# KiCad board artix-dc-scm.kicad_pcb (continued)
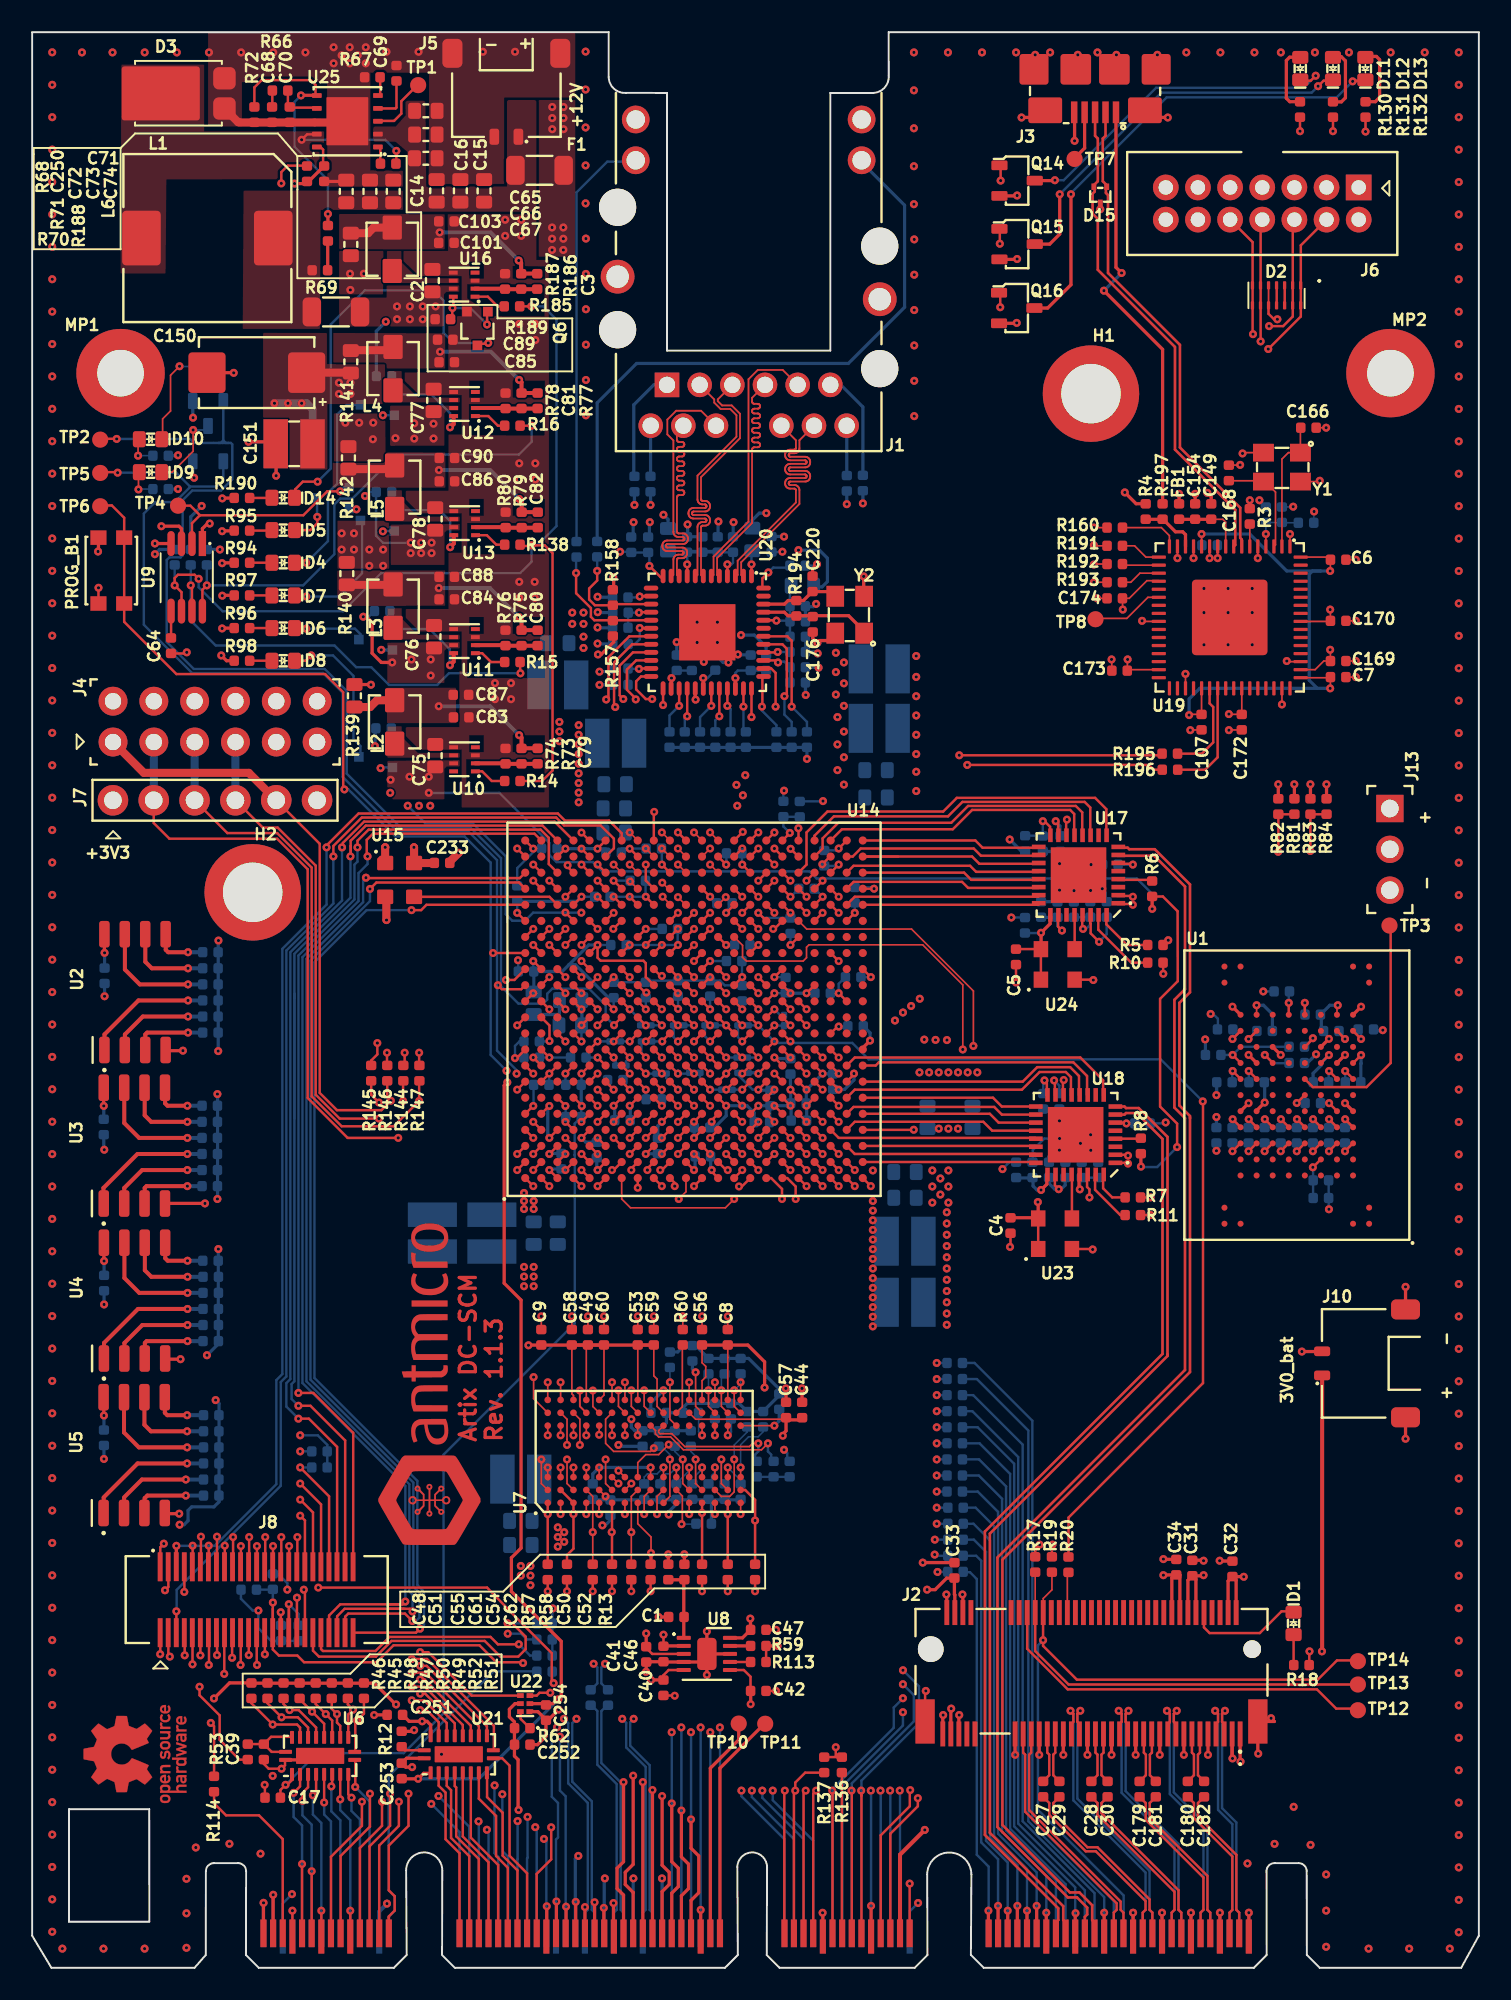
[diagram p0: board, top side]
## Footprints (pads in the part's own frame, mm; a bottom-side part is the same pattern mirrored in y, then rotated) (continued)
C_0603_1608Metric
  rrect 0.8x1 smd: 1(-0.7,0) 2(0.7,0)
C_1210_3225Metric
  rect 1.52x3.05 smd: 1(-1.145,0) 2(1.145,0)
C_Pol_EIA-D
  rrect 2.31x2.52 smd: 1(-3.1,0) 2(3.1,0)
Conn_Molex_Pico-Lock_1x2_504050-0291
  rrect 0.6x1 smd: 1(-0.749,2.85) 2(0.75,2.85)
  rrect 1.25x1.8 smd: MP1(-3.354,-2.338) MP2(3.356,-2.338)
Conn_Plug_Molex_SlimStack_2x25_529910508
  rect 0.3x1.8 smd: 1(-6.007,2.041) 2(-6.007,-2.058) 3(-5.507,2.041) 4(-5.507,-2.058) 5(-5.006,2.05) 6(-5.006,-2.058) 7(-4.506,2.041) 8(-4.506,-2.058) 9(-4.007,2.041) 10(-4.007,-2.058) 11(-3.507,2.041) 12(-3.507,-2.058) 13(-3.007,2.041) 14(-3.007,-2.058) 15(-2.507,2.041) 16(-2.507,-2.058) 17(-2.005,2.041) 18(-2.005,-2.058) 19(-1.505,2.041) 20(-1.505,-2.058) 21(-1.005,2.041) 22(-1.005,-2.058) 23(-0.505,2.041) 24(-0.505,-2.058) 25(-0.005,2.041) 26(-0.005,-2.058) 27(0.493,2.041) 28(0.493,-2.058) 29(0.994,2.041) 30(0.994,-2.058) 31(1.494,2.041) 32(1.494,-2.058) 33(1.993,2.041) 34(1.993,-2.058) 35(2.493,2.041) 36(2.493,-2.058) 37(2.993,2.041) 38(2.993,-2.058) 39(3.493,2.041) 40(3.493,-2.058) 41(3.994,2.041) 42(3.994,-2.058) 43(4.494,2.041) 44(4.494,-2.058) 45(4.994,2.041) 46(4.994,-2.058) 47(5.494,2.041) 48(5.494,-2.058) 49(5.994,2.041) 50(5.994,-2.058)
F_1206_3216Metric
  rrect 1.15x1.8 smd: 1(-1.5,-0.001) 2(1.5,-0.001)
FB_0402_1005Metric
  rrect 0.59x0.64 smd: 1(-0.48,0) 2(0.48,0)
FB_0603_1608Metric
  rrect 0.8x1 smd: 1(-0.7,0) 2(0.7,0)
L_Vishay-IHLP-1212AE
  rrect 1.5x1.2 smd: 1(-1.35,0) 2(1.35,0)
L_WE-PDF-1064
  rrect 2.4x3.4 smd: 1(-4.1,0) 2(4.1,0)
LED_0603_1608Metric_G
  rrect 0.8x1 smd: 1(-0.7,0) 2(0.7,0)
MP_Pad5.5mm_Drill2.9mm
  round 5.5 hole 2.9: 1(0,0)
Oscillator_SMD_Abracon_AMJM_3.2x2.5mm
  rrect 1x0.9 smd: 1(-0.876,1.045) 2(-0.876,-1.056) 3(0.922,-1.056) 4(0.922,1.045)
Oscillator_SMD_Abracon_ASEMB_3.2x2.5mm
  rect 1x0.9 smd: 1(-0.951,1.049) 2(-0.951,-1.05) 3(0.948,-1.05) 4(0.948,1.049)
PinHeader_1x3_P2.54mm_Drill1.1mm
  rect 1.7x1.7 hole 1.1: 1(0,0)
  round 1.7 hole 1.1: 2(2.539,0) 3(5.078,0)
PinHeader_1x6_P2.54mm_Drill1.1mm
  round 1.9 hole 1.1: 1(0,0) 2(2.539,0) 3(5.078,0) 4(7.618,0) 5(10.159,0) 6(12.698,0)
PinHeader_2x7_P2mm_Drill0.9mm_878311420
  rect 1.6x1.6 hole 0.9: 1(0,0)
  round 1.6 hole 0.9: 2(0,2) 3(2,0) 4(2,2) 5(4,0) 6(4,2) 7(6,0) 8(6,2) 9(8,0) 10(8,2) 11(10,0) 12(10,2) 13(12,0) 14(12,2)
PinSocket_2x6_P2.54mm_Drill1.02mm_PMOD
  round 1.8 hole 1.02: 1(0,0) 2(0,-2.539) 3(0,-5.078) 4(0,-7.618) 5(0,-10.159) 6(0,-12.698) 7(2.539,0) 8(2.539,-2.539) 9(2.539,-5.078) 10(2.539,-7.618) 11(2.539,-10.159) 12(2.539,-12.698)
PowerDI5
  rrect 4.86x3.36 smd: 1(1.1,0)
  rrect 1.4x1.39 smd: 2(-2.862,0.94) 2(-2.862,-0.941)
QFN-8_2x1.5mm
  rect 0.55x0.25 smd: 1(-0.677,0.75) 2(-0.677,0.25) 3(-0.677,-0.248) 4(-0.677,-0.748) 5(0.675,-0.748) 6(0.675,-0.248) 7(0.675,0.25) 8(0.675,0.75)
QFN-32-1EP_5x5mm
  rect 0.85x0.28 smd: 1(-2.495,1.702) 2(-2.495,1.2) 3(-2.495,0.701) 4(-2.495,0.201) 5(-2.495,-0.296) 6(-2.495,-0.8) 7(-2.495,-1.3) 8(-2.495,-1.8) 17(2.456,-1.8) 18(2.456,-1.3) 19(2.456,-0.8) 20(2.456,-0.296) 21(2.456,0.201) 22(2.456,0.701) 23(2.456,1.2) 24(2.456,1.702)
  rect 0.28x0.85 smd: 9(-1.768,-2.523) 10(-1.269,-2.523) 11(-0.772,-2.523) 12(-0.272,-2.523) 13(0.229,-2.523) 14(0.728,-2.523) 15(1.23,-2.523) 16(1.73,-2.523) 25(1.73,2.426) 26(1.23,2.426) 27(0.728,2.426) 28(0.229,2.426) 29(-0.272,2.426) 30(-0.772,2.426) 31(-1.269,2.426) 32(-1.768,2.426)
  rect 3.45x3.45 smd: 33(-0.02,-0.048)
QFN-48-1EP_7x7x0.9mm_P0.5mm_EP3.5x3.5mm
  oval 0.9x0.3 smd: 1(-3.5,2.75) 2(-3.5,2.25) 3(-3.5,1.75) 4(-3.5,1.25) 5(-3.5,0.75) 6(-3.5,0.25) 7(-3.5,-0.248) 8(-3.5,-0.748) 9(-3.5,-1.249) 10(-3.5,-1.749) 11(-3.5,-2.249) 12(-3.5,-2.749) 25(3.499,-2.749) 26(3.499,-2.249) 27(3.499,-1.749) 28(3.499,-1.249) 29(3.499,-0.748) 30(3.499,-0.248) 31(3.499,0.25) 32(3.499,0.75) 33(3.499,1.25) 34(3.499,1.75) 35(3.499,2.25) 36(3.499,2.75)
  oval 0.3x0.9 smd: 13(-2.75,-3.499) 14(-2.25,-3.499) 15(-1.75,-3.499) 16(-1.25,-3.499) 17(-0.75,-3.499) 18(-0.25,-3.499) 19(0.248,-3.499) 20(0.748,-3.499) 21(1.249,-3.499) 22(1.749,-3.499) 23(2.249,-3.499) 24(2.749,-3.499) 37(2.749,3.5) 38(2.249,3.5) 39(1.749,3.5) 40(1.249,3.5) 41(0.748,3.5) 42(0.248,3.5) 43(-0.25,3.5) 44(-0.75,3.5) 45(-1.25,3.5) 46(-1.75,3.5) 47(-2.25,3.5) 48(-2.75,3.5)
  rect 3.5x3.5 smd: 49(0,0)
QFN-64-1EP_9x9mm_P0.5mm
  rrect 1.05x1.05 smd: (-1.401,1.401) (-1.401,0) (-1.401,-1.398) (0,1.401) (0,0) (0,-1.398) (1.398,1.401) (1.398,0) (1.398,-1.398)
  rrect 0.875x0.2 smd: 1(-4.414,3.75) 2(-4.414,3.25) 3(-4.414,2.75) 4(-4.414,2.25) 5(-4.414,1.75) 6(-4.414,1.25) 7(-4.414,0.75) 8(-4.414,0.25) 9(-4.414,-0.248) 10(-4.414,-0.748) 11(-4.414,-1.249) 12(-4.414,-1.749) 13(-4.414,-2.249) 14(-4.414,-2.749) 15(-4.414,-3.249) 16(-4.414,-3.749) 33(4.411,-3.749) 34(4.411,-3.249) 35(4.411,-2.749) 36(4.411,-2.249) 37(4.411,-1.749) 38(4.411,-1.249) 39(4.411,-0.748) 40(4.411,-0.248) 41(4.411,0.25) 42(4.411,0.75) 43(4.411,1.25) 44(4.411,1.75) 45(4.411,2.25) 46(4.411,2.75) 47(4.411,3.25) 48(4.411,3.75)
  rrect 0.2x0.875 smd: 17(-3.75,-4.411) 18(-3.25,-4.411) 19(-2.75,-4.411) 20(-2.25,-4.411) 21(-1.75,-4.411) 22(-1.25,-4.411) 23(-0.75,-4.411) 24(-0.25,-4.411) 25(0.248,-4.411) 26(0.748,-4.411) 27(1.249,-4.411) 28(1.749,-4.411) 29(2.249,-4.411) 30(2.749,-4.411) 31(3.249,-4.411) 32(3.749,-4.411) 49(3.749,4.414) 50(3.249,4.414) 51(2.749,4.414) 52(2.249,4.414) 53(1.749,4.414) 54(1.249,4.414) 55(0.748,4.414) 56(0.248,4.414) 57(-0.25,4.414) 58(-0.75,4.414) 59(-1.25,4.414) 60(-1.75,4.414) 61(-2.25,4.414) 62(-2.75,4.414) 63(-3.25,4.414) 64(-3.75,4.414)
  rrect 4.7x4.7 smd: 65(0,0)
R_0402_1005Metric
  rrect 0.59x0.64 smd: 1(-0.48,0) 2(0.48,0)
R_0603_1608Metric
  rrect 0.8x1 smd: 1(-0.7,0) 2(0.7,0)
R_1206_3216Metric
  rrect 1.15x1.8 smd: 1(-1.5,-0.001) 2(1.5,-0.001)
Resonator_SMD_Abracon_ABM8G_3.2x2.5mm
  rrect 1.3x1.1 smd: 1(-1.101,-0.949)
  rect 1.3x1.1 smd: 2(1.199,-0.949) 3(1.199,0.85) 4(-1.101,0.85)
RJ45_BEL_L834-1G1T-S7
  round 2.31 hole 2.31 unplated: (-13.235,-1.009) (-13.235,-8.63) (3.073,-3.43) (3.073,-11.047)
  rect 1.53x1.53 hole 1.02: 1(0,0)
  round 1.53 hole 1.02: 2(-2.032,0) 3(-4.064,0) 4(-6.096,0) 5(-8.128,0) 6(-10.16,0) 7(1.015,2.54) 8(-1.016,2.54) 9(-3.048,2.54) 10(-7.112,2.54) 11(-9.144,2.54) 12(-11.176,2.54)
  round 1.725 hole 1.15: 13(1.945,-13.97) 14(1.945,-16.508) 15(-12.106,-13.97) 16(-12.106,-16.508)
  round 2.1 hole 1.4: SH(-13.235,-5.328) SH(3.073,-6.73)
SC70-3
  rect 0.6x0.6 smd: 1(-1.051,0.65) 2(-1.051,-0.65) 3(1.05,0)
SFF-TA-1002-4C+
  rect 0.38x1.72 smd far side: A1(-18.205,0.2) A2(-17.6,0.2) A3(-17,0.2) A4(-16.4,0.2) A5(-15.8,0.2) A6(-15.2,0.2) A7(-14.6,0.2) A8(-14,0.2) A9(-13.4,0.2) A10(-12.8,0.2) A12(-11.6,0.2) A13(-11,0.2) A15(-9.8,0.2) A16(-9.2,0.2) A18(-8,0.2) A19(-7.4,0.2) A21(-6.2,0.2) A22(-5.6,0.2) A23(-5,0.2) A24(-4.4,0.2) A25(-3.8,0.2) A26(-3.2,0.2) A27(-2.6,0.2) A28(-2,0.2) A29(2.01,0.2) A30(2.6,0.2) A31(3.2,0.2) A32(3.8,0.2) A34(5,0.2) A35(5.6,0.2) A36(6.2,0.2) A37(6.8,0.2) A38(7.4,0.2) A39(8,0.2) A40(8.6,0.2) A41(9.2,0.2) A43(14.715,0.2) A44(15.3,0.2) A45(15.9,0.2) A46(16.5,0.2) A47(17.1,0.2) A48(17.7,0.2) A49(18.3,0.2) A50(18.9,0.2) A51(19.5,0.2) A52(20.1,0.2) A53(20.7,0.2) A54(21.3,0.2) A55(21.9,0.2) A56(22.5,0.2) A57(23.1,0.2) A59(24.3,0.2) A60(24.9,0.2) A62(26.1,0.2) A63(26.7,0.2) A65(27.9,0.2) A66(28.5,0.2) A68(29.7,0.2) A69(30.3,0.2) OA1(-30.4,0.2) OA2(-29.8,0.2) OA5(-28,0.2) OA6(-27.4,0.2) OA7(-26.8,0.2) OA8(-26.2,0.2) OA9(-25.6,0.2) OA10(-25,0.2) OA11(-24.4,0.2) OA12(-23.8,0.2) OA14(-22.6,0.2)
  rect 0.38x2.12 smd far side: A11(-12.2,0) A14(-10.4,0) A17(-8.6,0) A20(-6.8,0) A33(4.4,0) A42(9.8,0) A58(23.7,0) A61(25.5,0) A64(27.3,0) A67(29.1,0) A70(30.9,0) OA3(-29.2,0) OA4(-28.6,0) OA13(-23.2,0)
  rect 0.38x1.72 smd: B1(-18.205,0.2) B2(-17.6,0.2) B3(-17,0.2) B4(-16.4,0.2) B5(-15.8,0.2) B6(-15.2,0.2) B7(-14.6,0.2) B8(-14,0.2) B9(-13.4,0.2) B11(-12.2,0.2) B12(-11.6,0.2) B13(-11,0.2) B14(-10.4,0.2) B15(-9.8,0.2) B16(-9.2,0.2) B18(-8,0.2) B19(-7.4,0.2) B20(-6.8,0.2) B21(-6.2,0.2) B22(-5.6,0.2) B23(-5,0.2) B24(-4.4,0.2) B25(-3.8,0.2) B27(-2.6,0.2) B28(-2,0.2) B29(2.01,0.2) B30(2.6,0.2) B31(3.2,0.2) B32(3.8,0.2) B34(5,0.2) B35(5.6,0.2) B36(6.2,0.2) B37(6.8,0.2) B39(8,0.2) B40(8.6,0.2) B41(9.2,0.2) B42(9.8,0.2) B43(14.715,0.2) B44(15.3,0.2) B45(15.9,0.2) B46(16.5,0.2) B47(17.1,0.2) B48(17.7,0.2) B50(18.9,0.2) B51(19.5,0.2) B53(20.7,0.2) B54(21.3,0.2) B56(22.5,0.2) B57(23.1,0.2) B59(24.3,0.2) B60(24.9,0.2) B62(26.1,0.2) B63(26.7,0.2) B65(27.9,0.2) B66(28.5,0.2) B68(29.7,0.2) B69(30.3,0.2) OB1(-30.4,0.2) OB2(-29.8,0.2) OB3(-29.2,0.2) OB5(-28,0.2) OB6(-27.4,0.2) OB8(-26.2,0.2) OB9(-25.6,0.2) OB11(-24.4,0.2) OB12(-23.8,0.2) OB13(-23.2,0.2) OB14(-22.6,0.2)
  rect 0.38x2.12 smd: B10(-12.8,0) B17(-8.6,0) B26(-3.2,0) B33(4.4,0) B38(7.4,0) B49(18.3,0) B52(20.1,0) B55(21.9,0) B58(23.7,0) B61(25.5,0) B64(27.3,0) B67(29.1,0) B70(30.9,0) OB4(-28.6,0) OB7(-26.8,0) OB10(-25,0)
SOIC-8_5.3x5.3x2mm_P1.27mm
  rrect 1.65x0.65 smd: 1(-3.601,1.905) 2(-3.601,0.635) 3(-3.601,-0.633) 4(-3.601,-1.904) 5(3.6,-1.904) 6(3.6,-0.633) 7(3.6,0.635) 8(3.6,1.905)
SOT-23-3
  rrect 1x0.6 smd: 1(-1.1,0.951) 2(-1.1,-0.949) 3(1.1,0.001)
SOT-723
  rect 0.4x0.3 smd: 1(-0.501,0.401) 2(-0.501,-0.399) 3(0.499,0.001)
Spacer_Drill3.7mm_H2.5mm_9774025151R
  custom 2.563x2.563 smd: (-1.7,1.7) (-1.7,-1.7) (1.7,1.7) (1.7,-1.7)
  round 6 hole 3.7: 1(0,0)
Spacer_Drill3.7mm_H4mm_9774040151R
  custom 2.563x2.563 smd: (-1.7,1.7) (-1.7,-1.7) (1.7,1.7) (1.7,-1.7)
  round 6 hole 3.7: 1(0,0)
SW_KMR211NGLFS_SMD
  rect 0.9x1 smd: 1(-2.048,0.8) 2(2.05,0.8) 3(-2.048,-0.802) 4(2.05,-0.802)
TP_SMD_1mm
  round 1 smd: 1(0,0)
USB-Micro-B_Receptacle_Amphenol_10118192
  rect 0.4x1.35 smd: 1(-1.301,2.226) 2(-0.651,2.226) 3(0,2.226) 4(0.65,2.226) 5(1.3,2.226)
  rrect 1.8x1.9 smd: SH(-3.801,-0.449) SH(3.8,-0.449)
  rrect 2.1x1.6 smd: SH(-3.101,2.101) SH(3.1,2.101)
  rrect 1.9x1.9 smd: SH(-1.2,-0.449) SH(1.199,-0.449)
USON-6_1.45x1.0mm_P0.5mm_Texas_DRY6
  rrect 0.42x0.3 smd: 1(0,0)
  rect 0.41x0.3 smd: 2(-0.006,-0.498) 3(-0.006,-0.998) 4(0.583,-0.998) 5(0.583,-0.498) 6(0.583,0)
USON-14_3.5x1.35_P0.5mm
  rrect 0.5x0.2 smd: 1(-0.623,1.5) 2(-0.623,1) 3(-0.623,0.5) 4(-0.623,0) 5(-0.623,-0.498) 6(-0.623,-0.998) 7(-0.623,-1.499) 8(0.625,-1.499) 9(0.625,-0.998) 10(0.625,-0.498) 11(0.625,0) 12(0.625,0.5) 13(0.625,1) 14(0.625,1.5)
VQFN-20_1EP_4.5x2.5mm_P0.5mm
  rrect 1.31x0.95 smd: (-0.76,0) (0.76,0)
  rrect 0.8x0.25 smd: 1(-2.15,-0.25) 10(2.15,-0.25) 11(2.15,0.25) 20(-2.15,0.25)
  rrect 0.25x0.8 smd: 2(-1.75,-1.15) 3(-1.25,-1.15) 4(-0.75,-1.15) 5(-0.25,-1.15) 6(0.25,-1.15) 7(0.75,-1.15) 8(1.25,-1.15) 9(1.75,-1.15) 12(1.75,1.15) 13(1.25,1.15) 14(0.75,1.15) 15(0.25,1.15) 16(-0.25,1.15) 17(-0.75,1.15) 18(-1.25,1.15) 19(-1.75,1.15)
  rrect 3x1 smd: 21(0,0)
VSON-10-1EP_3x3mm
  rrect 0.48x0.81 smd: (-0.3,0.51) (-0.3,-0.488) (0.299,0.51) (0.299,-0.488)
  rrect 0.875x0.25 smd: 1(-1.438,1.01) 2(-1.438,0.51) 3(-1.438,0.011) 4(-1.438,-0.488) 5(-1.438,-0.988) 6(1.437,-0.988) 7(1.437,-0.488) 8(1.437,0.011) 9(1.437,0.51) 10(1.437,1.01)
  rrect 1.2x2 smd: 11(0,0.011)
VSSOP-8_3x3mm_P0.65mm
  rect 1.557x0.458 smd: 1(-2.096,0.975)
  rrect 1.557x0.458 smd: 2(-2.096,0.326) 3(-2.096,-0.325) 4(-2.096,-0.974) 5(2.105,-0.974) 6(2.105,-0.325) 7(2.105,0.326) 8(2.105,0.975)
WSON-10-1EP_4x4mm_P0.8mm_EP2.6x3mm
  rrect 0.6x0.3 smd: 1(-1.9,1.6) 2(-1.9,0.8) 3(-1.9,0) 4(-1.9,-0.8) 5(-1.9,-1.6) 6(1.9,-1.6) 7(1.9,-0.8) 8(1.9,0) 9(1.9,0.8) 10(1.9,1.6)
  rrect 2.6x3 smd: 11(0,0)

## Nets
1V0_PG: Q1.1 R53.1 R61.2 U12.8
1V8_FT: C6.2 C7.2 C107.2 C135.2 U19.12 U19.37 U19.49 U19.64
3V0_BAT: J9.B41 J10.1
/Ethernet/AVDDH: C206.2 C211.2 C215.2 FB4.2 U20.1 U20.12
/Ethernet/AVDDL: C200.2 C204.2 C209.2 C213.2 FB6.1 U20.4 U20.9
/Ethernet/AVDDL_PLL: C199.2 C203.2 C208.2 FB5.1 U20.44
/Interfaces/1V0_EN: C39.2 R53.2 U6.19 U6.20
/Interfaces/VBUS: J3.1 R197.2
/Power supply/1V2_PG: Q6.1 R189.2 U16.8
/Power supply/1V8_PG: Q3.1 R91.2 U11.8
/Power supply/1V35_PG: Q4.1 R92.2 U13.8
/Power supply/2V5_PG: Q5.1 R93.2
/Power supply/5V0_PG: C250.2 Q2.1 R68.2 TP4.1 U9.2 U25.10
/Power supply/VCC12V: C14.2 C15.2 C16.2 C65.2 C66.2 C67.2 F1.2 J5.1 U25.2
/Power supply/VCCAUX_EN: R15.2 R64.2 U9.7
/Power supply/VCCINT_EN: R16.2 R63.2 U9.8
/Power supply/VCCIO_EN: R14.2 R65.2 R138.2 R185.2 U9.6
GND: C1.1 C2.1 C4.1 C5.2 C6.1 C7.1 C8.1 C9.1 C10.1 C11.1 C12.1 C13.1 C14.1 C15.1 C16.1 C17.1 C18.1 C19.1 C20.1 C21.1 C22.1 C23.1 C24.1 C25.1 C26.1 C31.1 C32.1 C33.1 C34.1 C35.1 C36.1 C37.1 C38.1 C39.1 C40.1 C41.1 C42.1 C43.1 C44.1 C45.1 C46.1 C47.1 C48.1 C49.1 C50.1 C51.1 C52.1 C53.1 C54.1 C55.1 C56.1 C57.1 C58.1 C59.1 C60.1 C61.1 C62.1 C63.2 C64.1 C65.1 C66.1 C67.1 C68.1 C69.1 C70.1 C72.1 C73.1 C74.1 C75.1 C76.1 C77.1 C78.1 C83.1 C84.1 C85.1 C86.1 C87.1 C88.1 C89.1 C90.1 C91.1 C92.1 C93.1 C94.1 C95.1 C96.1 C97.1 C98.1 C99.1 C100.1 C101.1 C102.1 C103.1 C104.1 C105.1 C106.1 C107.1 C108.1 C109.1 C110.1 C111.1 C112.1 C113.1 C114.1 C115.1 C116.1 C117.1 C118.1 C119.1 C120.1 C121.1 C122.1 C123.1 C124.1 C125.1 C126.1 C127.1 C128.1 C129.1 C130.1 C131.1 C132.1 C133.1 C134.1 C135.1 C136.1 C137.1 C138.1 C139.1 C140.1 C141.1 C142.1 C143.1 C144.1 C145.1 C146.1 C147.1 C148.1 C149.1 C150.2 C151.1 C152.1 C153.1 C154.1 C155.1 C156.1 C157.1 C158.1 C159.1 C160.1 C161.1 C162.1 C163.1 C164.1 C165.1 C166.1 C167.1 C168.1 C169.1 C170.1 C171.1 C172.1 C173.1 C174.1 C175.1 C176.1 C177.1 C178.1 C183.1 C184.1 C185.1 C186.1 C187.1 C188.1 C189.1 C190.1 C191.1 C192.1 C193.1 C196.1 C197.1 C198.1 C199.1 C200.1 C201.1 C202.1 C203.1 C204.1 C205.1 C206.1 C207.1 C208.1 C209.1 C210.1 C211.1 C212.1 C213.1 C214.1 C215.1 C216.1 C217.1 C218.1 C219.1 C220.1 C222.1 C223.1 C224.1 C225.1 C226.1 C227.1 C228.1 C229.1 C230.1 C231.1 C232.1 C233.1 C234.1 C235.1 C236.1 C237.1 C238.1 C239.1 C240.1 C241.1 C242.1 C243.1 C244.1 C245.1 C246.1 C247.1 C248.1 C249.1 C250.1 C251.1 C252.1 C253.1 C254.1 D2.5 D2.10 D3.2 D15.3 J1.SH J2.1 J2.3 J2.9 J2.15 J2.21 J2.27 J2.33 J2.39 J2.45 J2.51 J2.57 J2.71 J2.73 J2.75 J2.MP1 J2.MP2 J3.5 J3.SH J4.5 J4.11 J5.2 J5.MP1 J5.MP2 J6.1 J6.3 J6.5 J6.7 J6.9 J6.11 J6.13 J7.6 J8.2 J8.4 J9.A13 J9.A16 J9.A19 J9.A22 J9.A33 J9.A42 J9.A58 J9.A61 J9.A64 J9.A67 J9.A70 J9.B10 J9.B17 J9.B26 J9.B33 J9.B38 J9.B49 J9.B52 J9.B55 J9.B58 J9.B61 J9.B64 J9.B67 J9.B70 J9.OA3 J9.OA4 J9.OA13 J9.OB4 J9.OB7 J9.OB10 J10.2 J10.MP1 J10.MP2 J13.3 PROG_B1.3 PROG_B1.4 Q1.2 Q2.2 Q3.2 Q4.2 Q5.2 Q6.2 Q12.2 Q13.2 Q14.2 Q15.2 Q16.2 R2.2 R3.1 R4.2 R5.1 R7.1 R13.2 R57.1 R60.2 R67.1 R72.2 R74.2 R76.2 R78.2 R80.2 R82.1 R84.1 R87.2 R159.1 R187.2 U1.G2 U1.G3 U1.G4 U1.G5 U1.G6 U1.G7 U1.G8 U1.G9 U1.H2 U1.H9 U1.J5 U1.L3 U1.L8 U1.M4 U1.M7 U1.P2 U1.P9 U2.4 U3.4 U4.4 U5.4 U6.1 U6.21 U7.A9 U7.B1 U7.B3 U7.B9 U7.D1 U7.D8 U7.E1 U7.E2 U7.E8 U7.F9 U7.G1 U7.G8 U7.G9 U7.J2 U7.J8 U7.M1 U7.M9 U7.P1 U7.P9 U7.T1 U7.T9 U8.4 U8.8 U8.11 U9.3 U10.3 U10.5 U11.3 U11.5 U12.3 U12.5 U13.3 U13.5 U14.A2 U14.A3 U14.A5 U14.A7 U14.A9 U14.A11 U14.A12 U14.A22 U14.AA2 U14.AA12 U14.AA22 U14.AB9 U14.AB19 U14.B3 U14.B12 U14.B19 U14.C3 U14.C6 U14.C10 U14.C12 U14.C16 U14.D3 U14.D4 U14.D8 U14.D12 U14.D13 U14.E4 U14.E5 U14.E7 U14.E9 U14.E11 U14.E20 U14.F5 U14.F11 U14.F17 U14.G5 U14.G6 U14.G7 U14.G8 U14.G9 U14.G10 U14.G12 U14.G14 U14.H1 U14.H7 U14.H9 U14.H11 U14.H21 U14.J8 U14.J10 U14.J12 U14.J18 U14.K5 U14.K7 U14.K9 U14.K11 U14.K15 U14.L2 U14.L8 U14.L9 U14.L10 U14.L22 U14.M7 U14.M9 U14.M10 U14.M11 U14.M19 U14.N6 U14.N8 U14.N9 U14.N10 U14.N16 U14.P3 U14.P7 U14.P9 U14.P11 U14.P13 U14.R8 U14.R10 U14.R12 U14.R20 U14.T7 U14.T9 U14.T11 U14.T17 U14.U4 U14.U14 U14.V1 U14.V11 U14.V21 U14.W8 U14.W18 U14.Y5 U14.Y15 U15.2 U16.3 U16.5 U17.1 U17.2 U17.33 U18.1 U18.2 U18.33 U19.1 U19.5 U19.10 U19.11 U19.13 U19.15 U19.25 U19.35 U19.47 U19.51 U19.65 U20.29 U20.49 U21.1 U21.21 U22.1 U23.2 U24.2 U25.8 U25.11 Y1.2 Y1.4 Y2.2 Y2.4
P12V_AUX: F1.1 J9.OA1 J9.OA2 J9.OB1 J9.OB2
PVCCIO_PECI: J9.B28 TP11.1
VCC1V0: C17.2 C134.2 C136.2 C138.2 C140.2 C142.2 C145.2 C147.2 C150.1 C151.2 C152.2 C153.2 C156.2 C157.2 C158.2 C159.2 C160.2 C161.2 C163.2 C164.2 C165.2 C167.2 C171.2 C175.2 C190.2 R141.1 U6.2 U14.D6 U14.D10 U14.E8 U14.F7 U14.F9 U14.H8 U14.H10 U14.J7 U14.J9 U14.J11 U14.K8 U14.L7 U14.L11 U14.M8 U14.N7 U14.N11 U14.P8 U14.P10 U14.R7 U14.R9 U14.T8 U14.T10
VCC1V2: C45.2 C191.2 C192.2 C193.2 C196.2 C197.2 C201.2 C205.2 C210.2 C214.2 C217.2 C218.2 C219.2 C241.2 FB5.2 FB6.2 R143.2 R188.1 U14.B5 U14.B7 U14.B9 U14.B11 U14.C4 U14.C8 U20.14 U20.18 U20.23 U20.26 U20.30 U20.39
VCC1V8: C133.2 C137.2 C141.2 C143.2 C144.2 C146.2 C148.2 C242.2 C253.2 C254.2 R20.1 R140.1 U14.E12 U14.H12 U14.K10 U14.K12 U14.M12 U14.P12 U14.R11 U21.2 U22.2
VCC1V35: C8.2 C9.2 C46.2 C48.2 C49.2 C50.2 C51.2 C52.2 C53.2 C54.2 C55.2 C56.2 C58.2 C59.2 C60.2 C61.2 C96.2 C102.2 C108.2 C114.2 C120.2 C126.2 C132.2 C243.2 C244.2 R58.1 R142.1 U7.A1 U7.A8 U7.B2 U7.C1 U7.C9 U7.D2 U7.D9 U7.E9 U7.F1 U7.G7 U7.H2 U7.H9 U7.K2 U7.K8 U7.N1 U7.N9 U7.R1 U7.R9 U8.2 U14.C1 U14.F2 U14.H6 U14.J3 U14.M4 U14.N1
VCC3V3: C4.2 C5.1 C10.2 C11.2 C12.2 C13.2 C18.2 C19.2 C21.2 C23.2 C24.2 C31.2 C32.2 C33.2 C34.2 C35.2 C36.2 C37.2 C38.2 C47.2 C91.2 C92.2 C93.2 C94.2 C95.2 C97.2 C98.2 C99.2 C100.2 C104.2 C105.2 C106.2 C109.2 C110.2 C111.2 C112.2 C113.2 C115.2 C116.2 C117.2 C118.2 C119.2 C121.2 C122.2 C123.2 C124.2 C125.2 C127.2 C128.2 C129.2 C130.2 C131.2 C169.2 C170.2 C172.2 C173.2 C174.2 C178.2 C183.2 C184.2 C185.2 C186.2 C187.2 C198.2 C202.2 C207.2 C212.2 C216.2 C222.2 C223.2 C224.2 C229.2 C230.2 C231.2 C232.2 C233.2 C234.2 C235.2 C236.2 C237.2 C238.2 C239.2 C240.2 C251.2 C252.2 FB1.1 FB2.1 FB4.1 J1.14 J1.16 J2.2 J2.4 J2.12 J2.14 J2.16 J2.18 J2.70 J2.72 J2.74 J4.6 J4.12 J6.2 J7.1 J8.1 J8.3 J13.1 R1.1 R10.1 R11.2 R12.2 R17.1 R18.2 R19.1 R21.1 R22.1 R23.1 R24.1 R25.1 R26.1 R27.1 R28.1 R29.2 R30.2 R31.2 R32.2 R33.2 R34.2 R35.2 R36.2 R37.2 R38.2 R39.2 R40.2 R41.2 R42.2 R43.2 R44.2 R45.1 R46.1 R47.1 R48.1 R49.1 R50.1 R51.1 R52.1 R59.1 R61.1 R62.2 R81.1 R83.1 R85.1 R86.1 R88.1 R89.1 R90.1 R94.2 R95.2 R96.2 R97.2 R98.2 R113.2 R117.1 R118.1 R119.1 R120.1 R121.1 R122.1 R123.1 R124.1 R125.1 R126.1 R127.2 R128.2 R129.2 R130.2 R131.2 R132.2 R133.1 R134.1 R135.1 R139.1 R148.2 R149.2 R150.2 R151.2 R152.2 R153.2 R155.2 R156.2 R157.2 R158.2 R190.2 U1.F2 U1.F3 U1.F4 U1.F5 U1.F6 U1.F7 U1.F8 U1.F9 U1.H3 U1.H8 U1.L2 U1.L4 U1.L7 U1.L9 U1.P3 U1.P8 U2.8 U3.8 U4.8 U5.8 U8.10 U14.A17 U14.AA7 U14.AA17 U14.AB4 U14.AB14 U14.B14 U14.C21 U14.D18 U14.E15 U14.F12 U14.F22 U14.G19 U14.H16 U14.J13 U14.K20 U14.L17 U14.M14 U14.N21 U14.P18 U14.R5 U14.R15 U14.T2 U14.T12 U14.T22 U14.U19 U14.V6 U14.V16 U14.W3 U14.W13 U14.Y10 U14.Y20 U15.1 U15.4 U17.6 U17.16 U17.25 U17.30 U18.6 U18.16 U18.25 U18.30 U19.20 U19.31 U19.42 U19.50 U19.56 U20.16 U20.34 U20.40 U21.19 U22.5 U23.1 U23.4 U24.1 U24.4
VCC5V0: C2.2 C75.2 C76.2 C77.2 C78.2 R6.1 R8.1 R63.1 R64.1 R65.1 R68.1 R69.1 R91.1 R92.1 R93.1 R189.1 U9.1 U9.4 U10.7 U11.7 U12.7 U13.7 U16.7
/DDR3/DDR3_VTT: C40.2 C41.2 C43.2 C155.2 R54.2 R55.2 R56.2 R162.2 R163.2 R164.2 R167.2 R168.2 R169.2 R170.2 R171.2 R172.2 R173.2 R174.2 R175.2 R176.2 R177.2 R178.2 R179.2 R180.2 R181.2 R182.2 R183.2 R184.2 U8.3 U8.5
/Edge connector/CHASI#: J9.A54 R110.1
/Edge connector/DBP_PRDY_N: J9.A50 R106.2
/Edge connector/DBP_PREQ_N: J9.A49 R105.2
/Edge connector/HPM_FW_RECOVERY: J9.A43 R101.2
/Edge connector/HPM_STBY_EN: J9.A45 R116.2
/Edge connector/HPM_STBY_RDY: J9.A44 R154.2
/Edge connector/HPM_STBY_RST_N: J9.A46 R102.2
/Edge connector/IRQ_N: J9.A56 R112.2
/Edge connector/PRSNT0_N: J9.OB3 R114.2
/Edge connector/RoT_CPU_RST_N: J9.A53 R109.2
/Edge connector/RST_PLTRST_BUF_N: J9.A51 R107.2
/Edge connector/SPARE0: J9.A55 R111.1
/Edge connector/SPARE1: J9.A52 R108.1
/Edge connector/SYS_PWRBTN_N: J9.A47 R103.2
/Edge connector/SYS_PWROK: J9.A48 R104.2
/Edge connector/VIRTUAL_RESEAT: J9.OA14 R115.2
/Ethernet/ETH1_N: J1.10 U20.3
/Ethernet/ETH1_P: J1.11 U20.2
/Ethernet/ETH2_N: J1.5 U20.6
/Ethernet/ETH2_P: J1.4 U20.5
/Ethernet/ETH3_N: J1.2 U20.8
/Ethernet/ETH3_P: J1.3 U20.7
/Ethernet/ETH4_N: J1.9 U20.11
/Ethernet/ETH4_P: J1.8 U20.10
/Ethernet/ETH_LED1: R157.1 R165.2 U20.17
/Ethernet/ETH_LED2: R158.1 R166.2 U20.15
/FPGA banks 13-16/GCLK100: U14.C18 U15.3
/FPGA banks 13-16/PUDC_B: R1.2 R2.1 U14.U22
/FPGA banks 34-35 & CFG/MODE0: R81.2 R82.2 U14.U11
/FPGA banks 34-35 & CFG/MODE1: R83.2 R84.2 U14.U10
/FPGA banks 34-35 & CFG/MODE2: J13.2 U14.U9
/Interfaces/DBG_USB_D_N: D15.1 J3.2 U19.7
/Interfaces/DBG_USB_D_P: D15.2 J3.3 U19.8
/Interfaces/FT_VPHY: C139.2 C162.2 FB2.2 U19.4
/Interfaces/FT_VPLL: C149.2 C154.2 FB1.2 U19.9
/Interfaces/PCIE_BMC_TX_C_N: C194.2 U14.A4
/Interfaces/PCIE_BMC_TX_C_P: C195.2 U14.B4
/PCIe-connector/NVME_LED: D1.1 J2.10
/PCIe-connector/PCIE_HPM_TX0_C_N: C29.1 J2.47
/PCIe-connector/PCIE_HPM_TX0_C_P: C27.1 J2.49
/PCIe-connector/PCIE_HPM_TX1_C_N: C30.1 J2.35
/PCIe-connector/PCIE_HPM_TX1_C_P: C28.1 J2.37
/PCIe-connector/PCIE_HPM_TX2_C_N: C181.1 J2.23
/PCIe-connector/PCIE_HPM_TX2_C_P: C179.1 J2.25
/PCIe-connector/PCIE_HPM_TX3_C_N: C182.1 J2.11
/PCIe-connector/PCIE_HPM_TX3_C_P: C180.1 J2.13
CHASI#_R: R110.2 U14.Y3
DBG_UART_RX: R195.2 U14.P19
DBG_UART_TX: R196.2 U14.R19
DBP_PRDY_N_R: R106.1 U14.W2
DBP_PREQ_N_R: R105.1 U14.V2
DDR3_A0: R168.1 U7.N3 U14.M2
DDR3_A1: R175.1 U7.P7 U14.M5
DDR3_A2: R169.1 U7.P3 U14.M3
DDR3_A3: R167.1 U7.N2 U14.M1
DDR3_A4: R178.1 U7.P8 U14.L6
DDR3_A5: R172.1 U7.P2 U14.P1
DDR3_A6: R179.1 U7.R8 U14.N3
DDR3_A7: R170.1 U7.R2 U14.N2
DDR3_A8: R180.1 U7.T8 U14.M6
DDR3_A9: R171.1 U7.R3 U14.R1
DDR3_A10: R183.1 U7.L7 U14.L5
DDR3_A11: R176.1 U7.R7 U14.N5
DDR3_A12: R174.1 U7.N7 U14.N4
DDR3_A13: R173.1 U7.T3 U14.P2
DDR3_A14: R177.1 U7.T7 U14.P6
DDR3_BA0: R163.1 U7.M2 U14.L3
DDR3_BA1: R181.1 U7.N8 U14.K6
DDR3_BA2: R164.1 U7.M3 U14.L4
DDR3_CAS: R55.1 U7.K3 U14.K3
DDR3_CKE: R182.1 U7.K9 U14.J6
DDR3_CLK_N: R100.2 U7.K7 U14.P4
DDR3_CLK_P: R99.2 U7.J7 U14.P5
DDR3_CS: R184.1 U7.L2
DDR3_DM0: U7.E7 U14.G3
DDR3_DM1: U7.D3 U14.F1
DDR3_DQ0: U7.E3 U14.G2
DDR3_DQ1: U7.F7 U14.H4
DDR3_DQ2: U7.F2 U14.H5
DDR3_DQ3: U7.F8 U14.J1
DDR3_DQ4: U7.H3 U14.K1
DDR3_DQ5: U7.H8 U14.H3
DDR3_DQ6: U7.G2 U14.H2
DDR3_DQ7: U7.H7 U14.J5
DDR3_DQ8: U7.D7 U14.E3
DDR3_DQ9: U7.C3 U14.B2
DDR3_DQ10: U7.C8 U14.F3
DDR3_DQ11: U7.C2 U14.D2
DDR3_DQ12: U7.A7 U14.C2
DDR3_DQ13: U7.A2 U14.A1
DDR3_DQ14: U7.B8 U14.E2
DDR3_DQ15: U7.A3 U14.B1
DDR3_DQS0_N: U7.G3 U14.J2
DDR3_DQS0_P: U7.F3 U14.K2
DDR3_DQS1_N: U7.B7 U14.D1
DDR3_DQS1_P: U7.C7 U14.E1
DDR3_ODT: R56.1 U7.K1 U14.K4
DDR3_RAS: R54.1 U7.J3 U14.J4
DDR3_RESET: R13.1 U7.T2 U14.G1
DDR3_VREF: C42.2 C44.2 C57.2 C62.2 U7.H1 U7.M8 U8.6
DDR3_WE: R162.1 U7.L3 U14.L1
DONE: Q13.1 R88.2 TP2.1 U14.G11
ESPI_ALERT_N: U14.H18 U21.16
ESPI_ALERT_N_1V8: J9.B3 U21.5
ESPI_CLK: U14.L18 U21.18
ESPI_CLK_1V8: J9.B1 U21.3
ESPI_CS0_N: U14.K18 U21.17
ESPI_CS0_N_1V8: J9.B2 U21.4
ESPI_CS1_N: U14.G15 U22.4
ESPI_CS1_N_1V8: J9.B9 U22.3
ESPI_IO0: U14.K17 U21.14
ESPI_IO0_1V8: J9.B5 U21.7
ESPI_IO1: U14.M16 U21.13
ESPI_IO1_1V8: J9.B6 U21.8
ESPI_IO2: U14.K16 U21.12
ESPI_IO2_1V8: J9.B7 U21.9
ESPI_IO3: U14.L16 U21.11
ESPI_IO3_1V8: J9.B8 U21.10
ESPI_RESET_N: U14.M17 U21.15
ESPI_RESET_N_1V8: J9.B4 U21.6
ETH_INT_N: U14.N20 U20.38
ETH_MDC: U14.N22 U20.36
ETH_MDIO: R155.1 U14.M21 U20.37
ETH_~{RESET}: R156.1 U14.N18 U20.42
HPM_FW_RECOVERY_R: R101.1 U14.U3
HPM_STBY_EN_R: R116.1 U14.V17
HPM_STBY_RDY_R: R154.1 U14.P16
HPM_STBY_RST_N_R: R102.1 U14.U1
I2C[0]_SCL: J9.A1 U14.J16
I2C[0]_SDA: J9.A2 U14.J15
I2C[1]_SCL: J9.A3 U14.L15
I2C[1]_SDA: J9.A4 U14.M15
I2C[2]_SCL: J9.A5 U14.L14
I2C[2]_SDA: J9.A6 U14.J14
I2C[3]_SCL: J9.A7 U14.K14
I2C[3]_SDA: J9.A8 U14.M13
I2C[4]_SCL: J9.A9 U14.K13
I2C[4]_SDA: J9.A10 U14.L13
I2C[5]_SCL: J9.A11 U14.N13
I2C[5]_SDA: J9.A12 U14.N14
I2C[6]_SCL: J9.A23 U14.H13
I2C[6]_SDA: J9.A24 U14.G13
I2C[7]_SCL: J9.A25 U14.F13
I2C[7]_SDA: J9.A26 U14.E13
I2C[8]_SCL: J9.A27 U14.C13
I2C[8]_SDA: J9.A28 U14.C14
I2C[9]_SCL: J9.A29 U14.T5
I2C[9]_SDA: J9.A30 U14.T6
I2C[10]_SCL: J9.A31 U14.U6
I2C[10]_SDA: J9.A32 U14.W6
I2C[11]_SCL: J9.A38 U14.W7
I2C[11]_SDA: J9.A39 U14.W9
I2C[12]_SCL: J9.A40 U14.V8
I2C[12]_SDA: J9.A41 U14.V9
I3C[0]_SCL: J9.OA5 U6.3
I3C[0]_SCL_3V3: R46.2 U6.18 U14.A21
I3C[0]_SDA: J9.OA6 U6.4
I3C[0]_SDA_3V3: R45.2 U6.17 U14.B20
I3C[1]_SCL: J9.OA7 U6.5
I3C[1]_SCL_3V3: R48.2 U6.16 U14.D20
I3C[1]_SDA: J9.OA8 U6.6
I3C[1]_SDA_3V3: R47.2 U6.15 U14.F20
I3C[2]_SCL: J9.OA9 U6.7
I3C[2]_SCL_3V3: R50.2 U6.14 U14.C19
I3C[2]_SDA: J9.OA10 U6.8
I3C[2]_SDA_3V3: R49.2 U6.13 U14.F19
I3C[3]_SCL: J9.OA11 U6.9
I3C[3]_SCL_3V3: R52.2 U6.12 U14.D19
I3C[3]_SDA: J9.OA12 U6.10
I3C[3]_SDA_3V3: R51.2 U6.11 U14.F18
INIT: J8.42 Q12.1 R90.2 TP5.1 U14.U12
IRQ_N_R: R112.1 U14.AB1
JTAG_TCK: D2.2 D2.13 J6.6 J9.A34 R160.2 U14.V12
JTAG_TDI: D2.7 D2.8 J6.10 J9.A36 R191.2 U14.R13
JTAG_TDO: D2.6 D2.9 J6.8 J9.A37 R192.2 U14.U13
JTAG_TMS: D2.1 D2.14 J6.4 J9.A35 R193.2 U14.T13
MMC_CLK: R9.2 U14.Y18
MMC_CMD: R118.2 U1.P5 U14.Y19
MMC_DAT0: R119.2 U1.K2 U14.P17
MMC_DAT1: R120.2 U1.N2 U14.W17
MMC_DAT2: R121.2 U1.K3 U14.R18
MMC_DAT3: R122.2 U1.N3 U14.V18
MMC_DAT4: R123.2 U1.N8 U14.U18
MMC_DAT5: R124.2 U1.K8 U14.U17
MMC_DAT6: R125.2 U1.N9 U14.T18
MMC_DAT7: R126.2 U1.K9 U14.R17
MMC_RSTN: R117.2 U1.M5 U14.V19
NCSI_CLK: J9.B18 U14.B13
NCSI_CRS_DV: J9.B19 U14.A14
NCSI_RXD0: J9.B24 U14.A15
NCSI_RXD1: J9.B25 U14.B15
NCSI_RXER: J9.B23 U14.C15
NCSI_TXD0: J9.B21 U14.D14
NCSI_TXD1: J9.B22 U14.E14
